# KiCad board MiniCamel.kicad_pcb (continued)
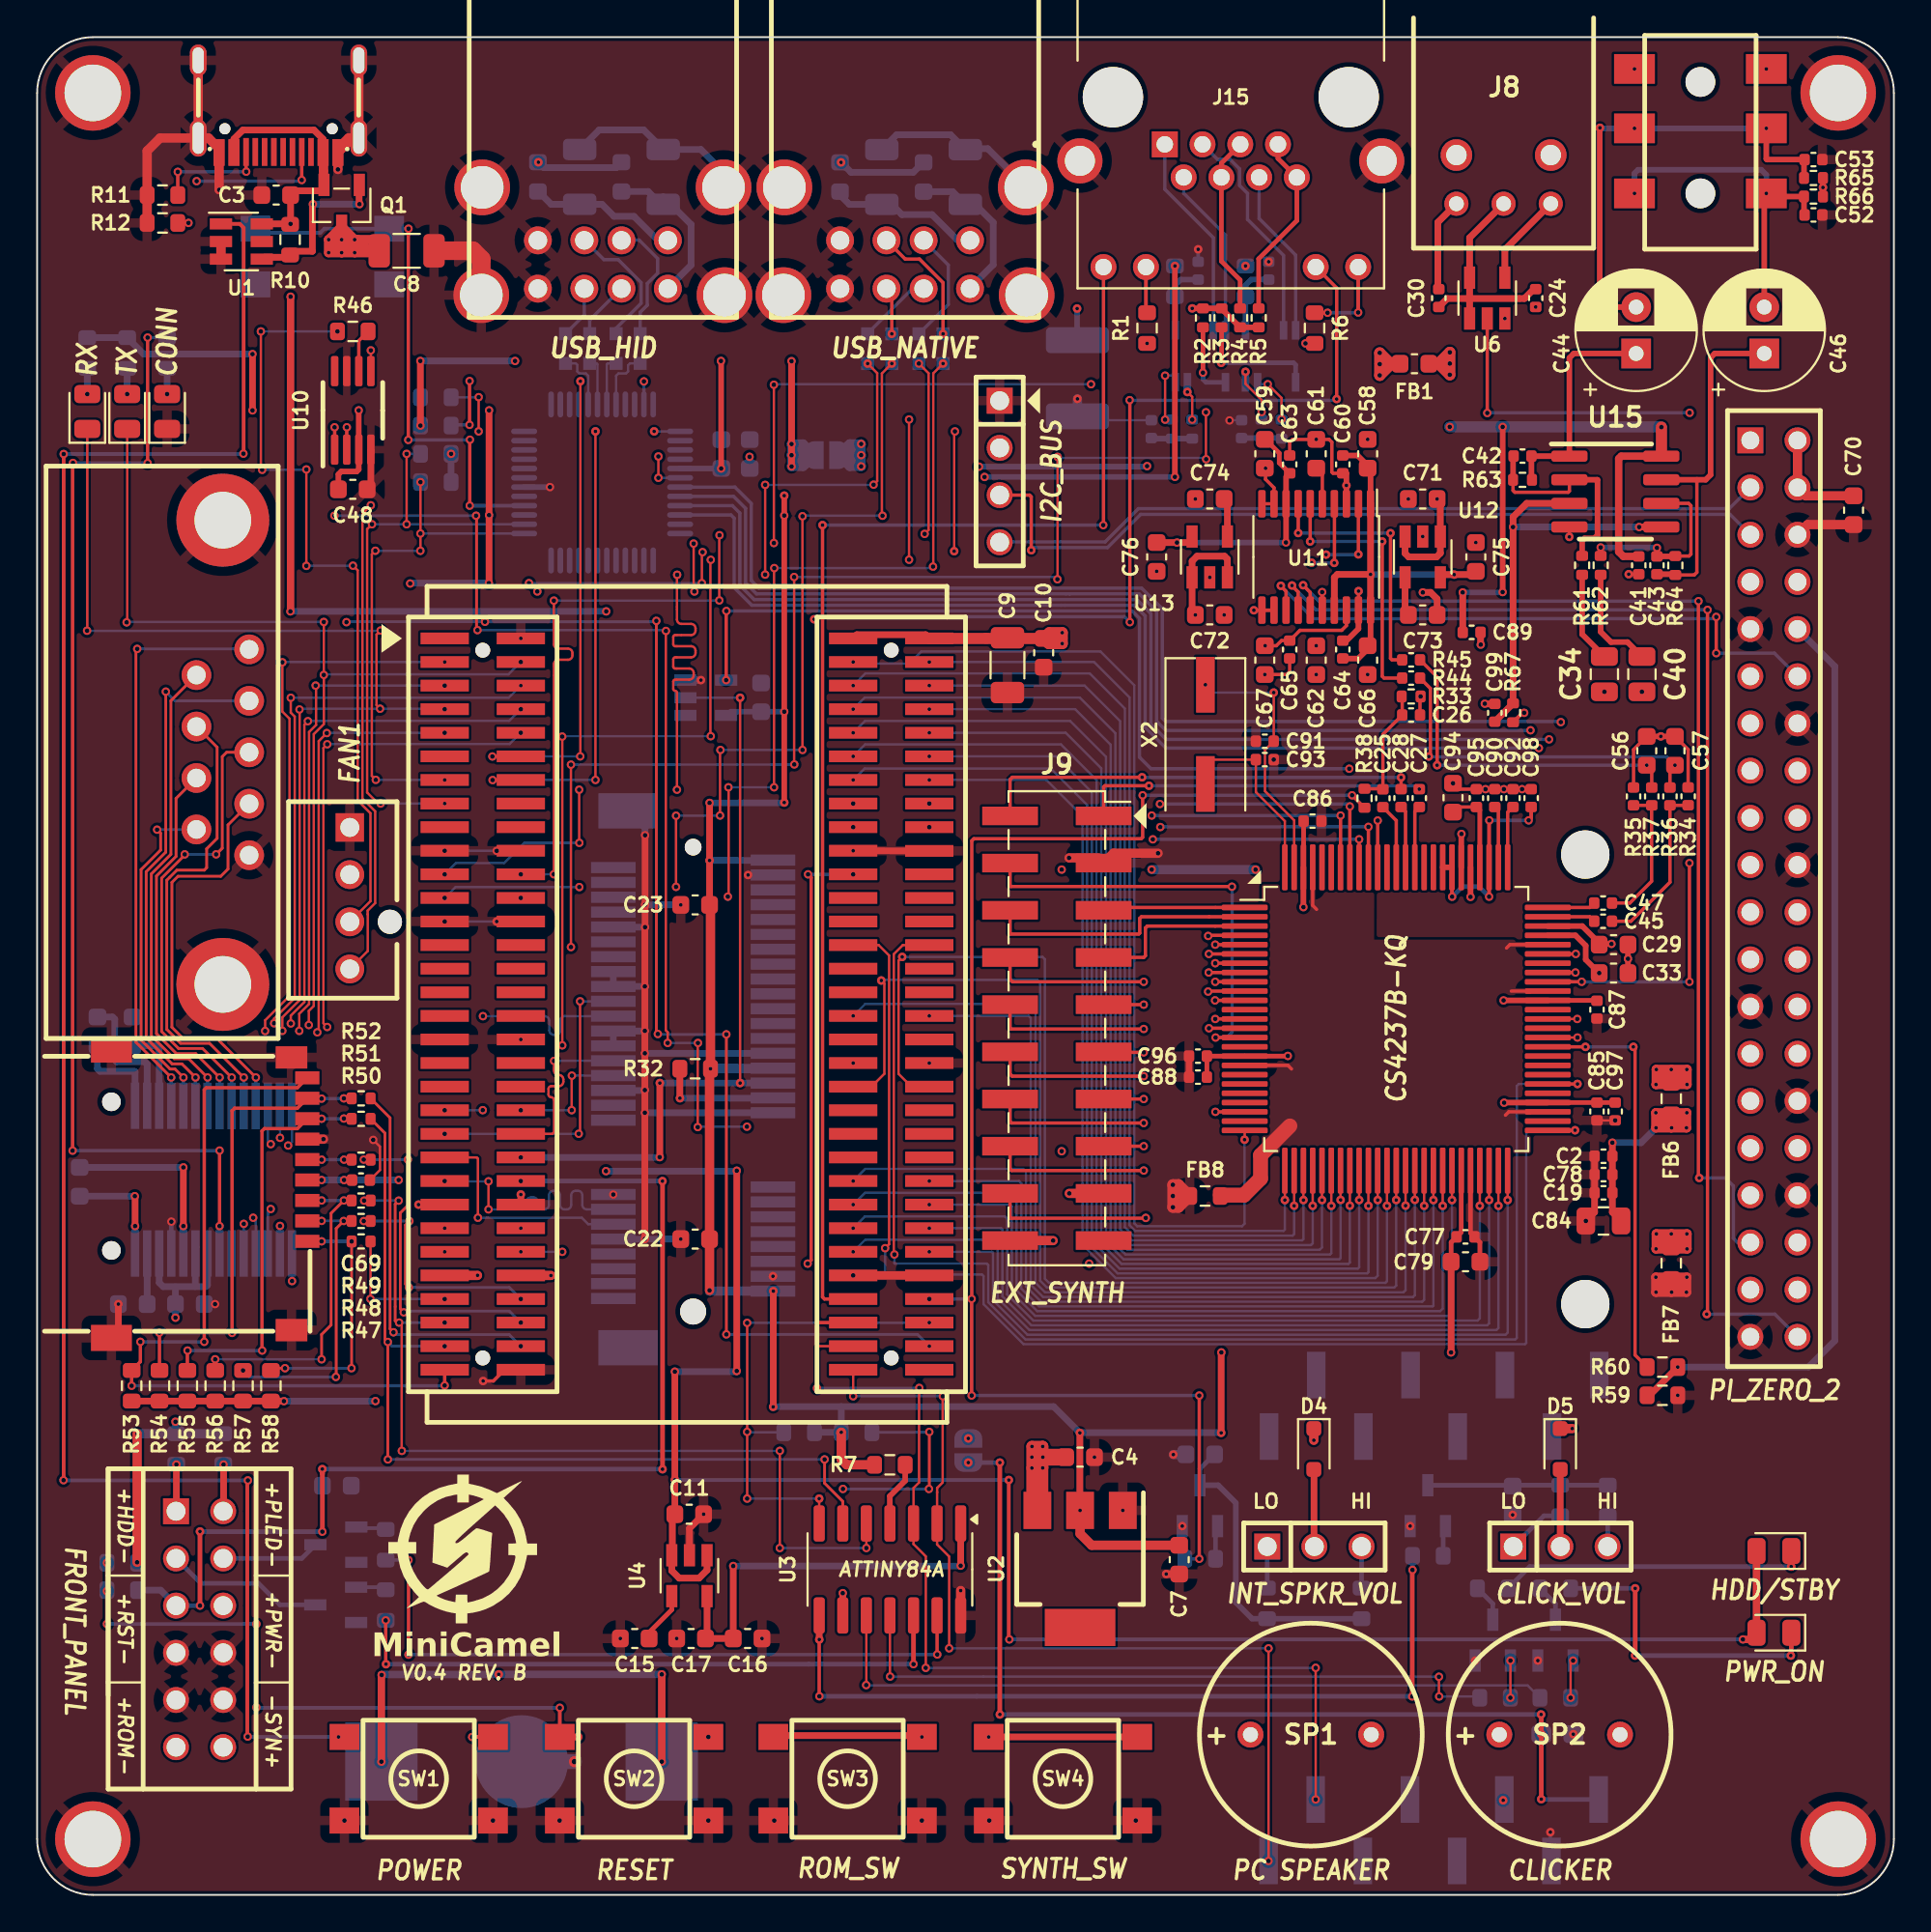
[diagram p0: board, top side]
## Routing (per net, layer and track width the routed paths; a pad name or vN(x,y) marks a point on that pad's centre or on a via; arc(x,y) is an arc through that point) (continued)
  Bottom w0.15: v1(9.83,44) 9.83,42.48
  Bottom w0.36: 9.83,42.48 U5.8
/RS_DCD1: length 31.5
  Top w0.15: v1(7.22,44) 5.32,45.9 5.32,67 v1(5.39,67.07)
  Bottom w0.15: v1(5.39,67.07) 11.4,67.07 J5.1 ; U5.4 7.22,42.48 7.22,44.07 7.23,44.08
/RS_DSR1: length 25.9
  Top w0.15: J5.6 7.2,64.28 7.2,56.01 6.15,54.96 6.15,46.24 7.39,45.01 8.16,45.01 9.17,44 v1(9.18,44)
  Bottom w0.15: U5.7 9.17,44
  Bottom w0.36: 9.17,44 v1(9.18,44)
/RS_DTR1: length 22.3
  Top w0.15: J5.4 10.28,57.59 10.28,55.22 9.89,54.83 7.59,54.83 7.26,54.5 7.26,46.7 7.85,46.12 9.66,46.12 v1(11.78,44)
  Bottom w0.15: v1(11.78,44) 11.78,42.48
  Bottom w0.36: 11.78,42.48 U5.11
/RS_RI1: length 18.6
  Top w0.15: v1(6.46,57.34) 6.65,57.15 6.65,56.24 5.6,55.19 5.6,46.01 7.16,44.45 7.43,44.45 v1(7.88,44)
  Bottom w0.15: U5.5 7.88,44 v1(7.88,44) ; J5.9 8.57,57.34 v1(6.46,57.34)
/RS_RTS1: length 25.5
  Top w0.15: J5.7 9.69,61.78 9.69,56.87 9.13,56.31 9.13,55.29 9,55.16 7.53,55.16 6.98,54.62 6.98,46.59 7.73,45.84 9.28,45.84 11.12,44 v1(11.13,44)
  Bottom w0.15: v1(11.13,44) 11.13,42.48
  Bottom w0.36: 11.13,42.48 U5.10
/RS_RX1: length 28.8
  Top w0.15: v1(6.93,64.77) 6.93,64.77 6.93,56.13 5.87,55.07 5.87,46.13 7.27,44.73 7.8,44.73 v1(8.53,44)
  Bottom w0.15: J5.2 7.43,64.28 v1(6.93,64.77) ; U5.6 8.52,44 v1(8.53,44)
/RS_TX1: length 25
  Top w0.15: J5.3 10.2,61.51 9.97,61.27 9.97,56.34 v1(9.64,56.01) ; v1(10.48,44) 10.47,44 8.91,45.56 7.62,45.56 6.7,46.47 6.7,54.73 7.95,55.98 v1(7.95,56.01)
  Bottom w0.15: 11.41,61.5 J5.3 ; v1(7.95,56.01) v1(9.64,56.01)
  Bottom w0.18: U5.9 10.48,44
/RST_SW: length 41.8
  Top w0.2: 11.81,10.07 v1(11.81,10.09) v2(11.81,14.58) ; v1(3.76,14.58) v1(3.76,17.87) ; v1(28.15,10.07) SW2.2
  Top w0.36: SW2.2 v1(29.15,8.5)
  In1.Cu w0.2: v1(29.15,8.5) v1(36.15,8.5)
  Bottom w0.2: v2(11.81,14.58) v1(3.76,14.58) ; v1(3.76,16.35) R9.2 ; v1(28.15,10.07) 11.81,10.07
/RSTDRV: length 51.8
  Top w0.18: v1(37.12,69.11) 37.11,69.1 v1(37.11,65.39) ; U14.90 v1(72.2,57.83)
  In1.Cu w0.18: v1(72.2,57.83) 72.2,60.29 71.87,60.62 v1(70.67,60.62)
  Bottom w0.18: v1(37.12,69.11) 37.12,69.11 58.98,69.11 59.37,68.72 59.37,61.24 59.99,60.62 v1(70.67,60.62)
/RTS1: length 33.8
  Top w0.127: v1(14.12,46.51) 14.12,47.43 14.65,47.96 14.65,62.6 15.02,62.97 15.02,65.07 v1(15,65.09)
  In2.Cu w0.127: v1(14.12,46.51) 14.12,45.91 13.3,45.09 13.3,40.97 v1(13.08,40.75)
  Bottom w0.127: v1(15,65.09) v1(21.95,65.09) ; U5.13 13.08,42.47 v1(13.08,40.75)
/RX1: length 69.4
  Top w0.127: v1(18.5,68.06) 18.28,67.84 18.28,64.04 v1(18.47,63.85) ; v1(2.69,68.05) 2.7,68.06 D3.1 ; v1(13.21,46.51) 13.21,47.24 14.14,48.17 14.14,63.8 v1(14.13,63.81)
  In2.Cu w0.127: v1(12.58,36.92) 11.99,37.51 11.99,40.68 12.79,41.48 12.79,45.3 13.21,45.72 v1(13.21,46.51)
  Bottom w0.127: v1(2.69,68.05) 2.7,68.04 18.48,68.04 v1(18.5,68.06) ; v1(14.13,63.81) 14.17,63.85 v1(18.47,63.85) 21.92,63.85 v1(21.95,63.83)
  Bottom w0.15: U5.17 12.42,36.77 v1(12.58,36.92)
/RX2: length 48.9
  Top w0.127: v1(43.95,26.84) P1.B63 ; v1(48.78,26.84) 48.77,26.83 48.77,22.2 48.47,21.9 48.47,21.67 48.47,21.66 U3.2 48.47,18.86 49.12,18.21 v1(49.12,13.27) ; v1(66.32,1.83) v1(66.32,13.27)
  Bottom w0.127: v1(48.78,26.84) v1(43.95,26.84) ; v1(66.32,13.27) v1(49.12,13.27)
/SD_CD: length 43.1
  Top w0.18: J13.9 14.02,43.45 9.11,43.45 9,43.34 v1(9,29.77) ; v1(5.09,27.41) R53.2 5.56,28.7 v1(5.56,29.77) ; v1(21.95,27.42) P1.A63
  Bottom w0.18: v1(21.95,27.42) 21.94,27.41 v1(5.09,27.41) ; v1(9,29.77) v1(5.56,29.77)
/SD_CLK: length 17.8
  Top w0.15: v1(19.75,31.35) 19.56,31.54 19.56,36.71 19.95,37.1 19.95,39.56 v1(19.97,39.58) ; R50.2 17.95,39.58 v1(17.59,39.58)
  Bottom w0.15: v1(19.75,31.35) 19.81,31.42 25.44,31.42 v1(26.05,30.81) ; v1(19.97,39.58) v1(17.59,39.58)
/SD_CMD: length 50
  Top w0.127: v1(19.64,23.9) 19.63,23.91 19.63,30.67 v1(19.49,30.81) ; U3.5 v1(44.66,18.67) ; v1(40,18.67) v1(40,23.9)
  Top w0.15: v1(19.47,37.37) 19.28,37.18 19.28,30.91 19.38,30.81 v1(19.49,30.81) ; v1(17.61,37.37) 17.95,37.37 R49.2
  Bottom w0.127: v1(19.64,23.9) v1(40,23.9) ; v1(44.66,18.67) v1(40,18.67)
  Bottom w0.15: v1(19.47,37.37) v1(17.61,37.37) ; v1(19.49,30.81) v1(21.95,30.81)
/SD_DAT0: length 49.3
  Top w0.15: R51.2 18.73,41 18.73,29.92 v1(18.89,29.76) 18.89,23.44 v1(18.89,23.44) ; U3.6 43.39,21.18 42.41,22.16 v1(42.41,23.44)
  Bottom w0.15: v1(18.89,29.76) 19.11,29.53 v1(21.95,29.53) ; v1(18.89,23.44) v1(42.41,23.44)
/SD_DAT1: length 20.3
  Top w0.15: R52.2 19.01,41.83 19.01,30.47 v1(19.19,30.28)
  Bottom w0.15: v1(26.05,29.53) 25.42,30.16 19.31,30.16 v1(19.19,30.28)
/SD_DAT2: length 7.1
  Top w0.127: v1(17.95,32.08) 17.96,32.09 R47.2
  Bottom w0.127: v1(21.95,32.08) 17.95,32.08 v1(17.95,32.08)
/SD_DAT3: length 12.9
  Top w0.15: v1(20.05,36.27) 19.84,36.06 19.84,32.88 v1(20.02,32.7) ; v1(17.59,36.27) 17.95,36.27 R48.2
  Bottom w0.15: v1(20.05,36.27) v1(17.59,36.27) ; v1(20.02,32.7) 25.42,32.7 v1(26.05,32.08)
/SPDIF_OUT: length 54.3
  Top w0.18: U14.67 83.19,49.15 v1(83.19,49.15) ; v1(78.1,79.77) U6.2 ; v1(88.99,49.15) v1(88.99,55.54)
  In2.Cu w0.18: v1(88.99,55.54) 88.99,79.77 v1(89,79.78)
  Bottom w0.18: v1(83.19,49.15) v1(88.99,49.15) ; v1(78.1,79.77) 78.11,79.78 v1(89,79.78)
/SPKR: length 77.7
  Top w0.18: v1(50.33,26.88) v1(50.33,32.08) 50.34,32.09 50.34,56.74 50.45,56.85 59.46,56.85 59.54,56.93 v1(59.54,59.19) ; v1(62.59,26.88) v1(62.59,18.09) ; R38.1 v1(70.82,59.19)
  Bottom w0.18: v1(62.59,26.88) v1(50.33,26.88) ; v1(70.82,59.19) v1(59.54,59.19) ; v1(50.33,32.08) 50.33,32.08 v1(48.05,32.08) ; v1(62.59,18.09) R20.1
/SYNTH_SW: length 106.4
  Top w0.36: SW4.2 v2(51.25,8.5)
  In2.Cu w0.18: J12.11 90.37,63.7 90.37,9.26 87.42,6.31 53.44,6.31 v2(51.25,8.5)
/TACH1: length 41.7
  Top w0.127: v1(14.5,71.54) v1(14.5,76.73) ; v1(12.12,76.71) 12.05,76.78 v1(12.05,84.16) ; P2.3 17.95,53.49 17.95,58.22 17.26,58.91 17.26,71.3 v1(17.01,71.55)
  Bottom w0.127: v1(14.5,71.54) 14.51,71.55 v1(17.01,71.55) ; v1(14.5,76.73) 14.48,76.71 v1(12.12,76.71) ; v1(12.05,84.16) v1(16.17,84.16)
/TX1: length 63.2
  Top w0.127: v1(4.82,68.5) 4.85,68.53 D2.1 ; v1(14.63,46.82) 14.63,47.58 14.9,47.85 14.9,62.48 15.44,63.02 15.44,63.16 15.44,63.16 15.44,65.67 v1(15.44,65.67) v1(15.44,68.52)
  In2.Cu w0.127: v1(14.63,46.82) 14.63,46.06 13.55,44.98 13.55,40.37 v1(13.52,40.34)
  Bottom w0.127: v1(15.44,68.52) 4.84,68.52 v1(4.82,68.5) ; v1(26.05,66.37) 25.38,65.7 15.47,65.7 v1(15.44,65.67) ; v1(13.52,40.34) 13.73,40.54 U5.14
/TX2: length 53.3
  Top w0.127: v1(68.86,12.22) v1(68.86,5.14) ; v1(47.51,27.29) 47.5,27.28 47.5,22.2 47.2,21.9 U3.3 47.2,18.88 47.86,18.22 v1(47.86,12.22) ; v1(42,27.27) 42,29.47 42.06,29.53 P1.B61
  Bottom w0.127: v1(42,27.27) 42.02,27.29 v1(47.51,27.29) ; v1(68.86,12.22) v1(47.86,12.22)
/USBD1+: length 52.2
  Top w0.127: v2(46.03,82.43) 45.5,81.9 45.5,74.27 v1(45.53,74.24) ; v1(36.8,61.63) 36.78,61.61 v1(36.78,58.1) ; v1(34.41,54.26) v1(34.41,58.09) ; v1(41.22,74.21) v1(41.22,61.63)
  In1.Cu w0.127: v1(34.41,54.26) 34.4,54.25 v1(29.2,54.25)
  Bottom w0.127: v1(34.41,58.09) 36.77,58.09 v1(36.78,58.1) ; v1(21.95,53.67) 22.53,54.25 v1(29.2,54.25) ; v1(41.22,74.21) 41.25,74.24 v1(45.53,74.24) ; v1(36.8,61.63) v1(41.22,61.63)
/USBD1-: length 55.9
  Top w0.127: v1(45.05,75.91) 45.24,76.1 45.24,81.92 v2(44.73,82.43) ; v1(39.21,75.9) 39.21,71.07 v1(39.21,71.07) ; v1(34.46,59.49) 34.46,64.72 arc(34.43,64.79) 34.36,64.82 arc(34.29,64.84) 34.26,64.92 34.26,65.32 arc(34.29,65.39) 34.36,65.42 35.12,65.42 arc(35.29,65.49) 35.36,65.66 35.36,65.78 arc(35.29,65.94) 35.12,66.02 34.36,66.02 arc(34.29,66.04) 34.26,66.12 34.26,66.52 arc(34.29,66.59) 34.36,66.62 35.22,66.62 arc(35.39,66.69) 35.46,66.86 35.46,66.98 arc(35.39,67.14) 35.22,67.22 34.36,67.22 arc(34.29,67.24) 34.26,67.32 34.26,67.72 arc(34.29,67.79) 34.36,67.82 35.22,67.82 arc(35.39,67.89) 35.46,68.06 35.46,68.18 arc(35.39,68.34) 35.22,68.42 34.7,68.42 arc(34.53,68.49) 34.46,68.66 34.46,71.05 v1(34.47,71.06) ; v1(29.19,59.49) 29.19,56.64 v1(29.2,56.63)
  In1.Cu w0.127: v1(34.47,71.06) 39.2,71.06 v1(39.21,71.07) ; v1(29.19,59.49) v1(34.46,59.49)
  Bottom w0.127: v1(21.95,54.94) 22.55,55.54 25.15,55.54 26.24,56.63 v1(29.2,56.63) ; v1(39.21,75.9) 45.04,75.9 v1(45.05,75.91)
/USBD2+: length 51.1
  Top w0.127: v1(37.23,59.62) 37.24,59.61 37.24,53.78 v1(37.2,53.73) ; v1(39.7,71.42) 39.69,71.41 v1(39.69,59.62) ; v2(48.79,82.43) 48.26,81.9 48.26,71.51 v1(48.25,71.5)
  In1.Cu w0.127: v1(37.2,53.73) 26.12,53.73 v1(26.05,53.67)
  Bottom w0.127: v1(39.7,71.42) 48.17,71.42 v1(48.25,71.5) ; v1(37.23,59.62) v1(39.69,59.62)
/USBD2-: length 51.1
  Top w0.127: v1(27.83,54.94) 27.83,66.24 arc(27.9,66.41) 28.07,66.48 28.59,66.48 arc(28.76,66.56) 28.83,66.72 28.83,66.84 arc(28.76,67.01) 28.59,67.08 28.07,67.08 arc(27.9,67.16) 27.83,67.32 v1(27.83,69.67) ; v1(36.75,73.19) 36.74,73.18 v1(36.74,69.68) ; v1(47.8,73.26) 48.01,73.47 48.01,81.91 v1(47.49,82.43)
  In1.Cu w0.127: v1(47.8,73.26) 47.8,73.25 36.81,73.25 v1(36.75,73.19)
  Bottom w0.127: v1(26.05,54.94) 27.83,54.94 v1(27.83,54.94) ; v1(27.83,69.67) 36.73,69.67 v1(36.74,69.68)
/USBDX1+: length 2.6
  Top w0.18: v2(46.03,84.03) 46.03,86.18 J6.3
/USBDX1-: length 4
  Bottom w0.18: J6.2 47.14,86.46 44.73,84.05 L1.1
/USBDX2+: length 6.7
  Top w0.18: v2(48.79,84.03) 48.79,86.78 47.52,88.05 46.75,88.05 J6.7
/USBDX2-: length 6.2
  Bottom w0.18: L2.1 49.07,85.61 49.07,87.73 J6.6
/USBHID1+: length 3.2
  Bottom w0.127: U9.29 29.68,81.77 29.55,81.9 29.2,81.9 29.09,82.01 29.09,82.36 29.01,82.44 L3.4
/USBHID1-: length 2.6
  Bottom w0.127: U9.30 30.18,82.39 30.13,82.44 L3.1
/USBHID2+: length 2.7
  Bottom w0.127: U9.31 30.68,82.39 30.73,82.44 L4.4
/USBHID2-: length 3.3
  Bottom w0.127: U9.32 31.18,81.77 31.31,81.9 31.72,81.9 31.83,82.01 31.83,82.34 31.93,82.44 L4.1
/USBHIDX1+: length 2.9
  Bottom w0.18: L3.3 29.47,85.05 29.47,86.48
/USBHIDX1-: length 3.1
  Bottom w0.18: 31.47,86.48 29.76,84.77 L3.2
/USBHIDX2+: length 7.3
  Bottom w0.18: L4.3 31.18,84.33 32.53,85.67 32.53,86.79 31.29,88.02 30.53,88.02 29.47,89.08
/USBHIDX2-: length 6.8
  Bottom w0.18: L4.2 32.48,85.19 32.86,85.57 32.86,86.74 33.42,87.3 33.42,88.08 32.42,89.08 31.47,89.08
/X_SD_CLK: length 2.5
  Top w0.18: v1(16.53,39.58) R50.1
  Top w0.36: J13.5 15.31,39.58 v1(15.32,39.58)
  Bottom w0.18: v1(16.53,39.58) 15.26,39.58
/X_SD_CMD: length 17.8
  Top w0.127: R56.2 v1(9.59,28.83)
  Top w0.15: v1(16.52,37.38) 15.83,36.69 15.83,30.68 15.32,30.17 v1(15.32,28.83)
  Top w0.18: v1(16.52,37.38) 16.93,37.38
  Top w0.36: J13.3 v1(15.32,37.38)
  Bottom w0.127: v1(9.59,28.83) v1(15.32,28.83)
  Bottom w0.18: v1(16.52,37.38) 15.29,37.38
/X_SD_DAT0: length 22.2
  Top w0.127: 8.09,29.29 v1(8.1,29.3)
  Top w0.18: 8.2,28.34 R55.2 8.09,29.29 ; R51.1 16.53,41.78 ; J13.7 14.02,41.25 12.24,41.25 12.11,41.12 12.11,29.31 v1(12.12,29.3)
  Top w0.36: 16.53,41.78 v1(16.52,41.79) ; J13.7 v1(15.32,41.78)
  Bottom w0.18: v1(12.12,29.3) v1(8.1,29.3) ; v1(15.32,41.78) 16.51,41.78 v1(16.52,41.79)
/X_SD_DAT1: length 25.3
  Top w0.18: J13.8 15.3,42.88 v1(15.32,42.86) 14.53,42.86 14.02,42.35 10.64,42.35 10.5,42.21 v1(10.5,30.25) ; R54.2 6.59,30.25 v1(6.58,30.26) ; 16.85,42.88 v1(16.52,42.88)
  Bottom w0.18: v1(10.5,30.25) 6.59,30.25 v1(6.58,30.26) ; v1(15.32,42.86) 16.51,42.86 v1(16.52,42.88)
/X_SD_DAT2: length 13.6
  Top w0.15: v1(16.94,35.17) 16.94,28.36 v1(16.93,28.35) ; R58.2 12.71,28.35 v1(13.35,28.35)
  Top w0.18: v1(16.94,35.17) 16.93,35.18
  Top w0.36: J13.1 v1(15.32,35.18)
  Bottom w0.15: v1(16.93,28.35) v1(13.35,28.35)
  Bottom w0.18: 15.31,35.18 16.93,35.18 v1(16.94,35.17)
/X_SD_DAT3: length 16
  Top w0.15: 16.84,36.28 v1(16.51,36.28) 16.11,35.87 16.11,27.9 v1(16.09,27.88)
  Top w0.36: J13.2 v1(15.32,36.28)
  Bottom w0.15: v1(16.51,36.28) 16.51,36.28 15.31,36.28 ; v1(11.09,28.23) 11.44,27.88 v1(16.09,27.88)
/~{BRESET}: length 23.6
  Top w0.18: U14.15 v1(63.47,46.15) ; J9.4 52.4,54.33 52.45,54.28 64.34,54.28 v1(64.35,54.27)
  Bottom w0.18: v1(64.35,54.27) 64.36,54.26 64.36,46.43 64.08,46.15 v1(63.47,46.15)
/~{DACK1}: length 73.7
  Top w0.127: v1(46.17,34.47) 46.14,34.5 46.14,50.64 46.62,51.12 P1.B28
  Top w0.18: U14.56 v2(82.96,43.65)
  Bottom w0.127: v1(46.17,34.47) 46.17,34.01 46.2,33.98 51.15,33.98 51.23,33.9 51.23,31.9 53.23,29.9 79.61,29.9 79.69,29.98 79.69,43.54 79.8,43.65 v2(82.96,43.65)
/~{DUPLEX}: length 71.4
  Top w0.18: v1(57.42,73.73) 57.43,73.75 J15.9 ; 43.1,32.08 42.41,32.08 42.3,32.18 v2(42.3,73.73)
  Bottom w0.18: v2(42.3,73.73) v1(57.42,73.73)
/~{FM_CS}: length 13.8
  Top w0.18: U14.9 v1(63.45,49.15) ; 59.61,42.84 J9.13
  In2.Cu w0.18: v1(63.45,49.15) 61.65,49.15 61.53,49.03 61.53,42.92 61.45,42.84 59.61,42.84
  vias: v1(59.6,42.84)
/~{FM_RD}: length 20.9
  Top w0.18: v1(63.07,48.62) 63.09,48.65 U14.10 ; v1(59.6,41.55) 52.47,41.55 52.4,41.62 J9.14
  In2.Cu w0.18: v1(59.6,41.55) 61.77,41.55 61.84,41.62 61.84,48.54 61.92,48.62 v1(63.07,48.62)
/~{FM_WR}: length 15.3
  Top w0.18: v1(59.6,40.3) J9.15 ; v1(63.44,48.15) U14.11
  In2.Cu w0.18: v1(59.6,40.3) 62.01,40.3 62.15,40.44 62.15,48.06 62.24,48.15 v1(63.44,48.15)
/~{IOR}: length 57.8
  Top w0.127: v2(46.59,50.49) 46.39,50.29 46.39,44.2 47.08,43.5 P1.B40 ; 72.7,39 v2(72.7,37.09)
  Bottom w0.127: v2(72.7,37.09) 72.7,33.03 72.62,32.95 54.49,32.95 54.27,33.17 54.27,50.37 54.15,50.49 v2(46.59,50.49)
/~{IOW}: length 57.3
  Top w0.127: 73.2,39 73.2,37.41 v2(73.2,37.4) ; P1.B39 44.94,43.5 45.63,44.2 45.63,49.05 v2(45.47,49.22)
  Bottom w0.127: v2(45.47,49.22) 45.5,49.25 53.87,49.25 54.02,49.1 54.02,33.06 54.39,32.69 73.09,32.69 73.2,32.8 v2(73.2,37.4)
/~{LINKACT}: length 86.7
  Top w0.18: v1(58.84,80.46) 58.85,80.45 v1(58.85,68.51) ; v2(69.99,80.52) 69.99,86.5 J15.11 ; v2(41.85,68.66) 41.99,68.52 41.99,30.87 42.06,30.81 42.97,30.81
  Bottom w0.18: v1(58.84,80.46) 58.85,80.45 69.92,80.45 v2(69.99,80.52) ; v2(41.85,68.66) 41.99,68.8 58.56,68.8 v1(58.85,68.51)
/~{PCIRST}: length 41.3
  Top w0.127: v2(37.86,64.44) v2(37.86,43.7)
  Top w0.36: v2(33.54,43.7) 33.54,39.72 v1(33.53,39.71) 33.52,39.69
  Bottom w0.127: v2(37.86,64.44) U8.2
  Bottom w0.36: 33.52,39.69 v1(26.05,39.69) ; v2(33.54,43.7) v2(37.86,43.7) J4.22
/~{RST_SW}: length 60.3
  Top w0.25: 15.37,22.66 15.36,22.67 v2(15.36,22.92) 15.37,22.92 15.37,19.55 ; v2(33.68,22.91) 33.68,38.42 ; v2(8.77,19.56) v1(8.77,15.57) ; v2(33.68,38.42) 33.67,38.42
  Bottom w0.25: v1(8.77,15.57) J3.3 ; 33.67,38.42 v1(26.05,38.42) ; 33.68,38.42 v2(33.68,38.42) ; v2(8.77,19.56) 8.78,19.55 v1(15.36,19.55) 15.37,19.55 ; C5.1 15.37,22.92 v2(15.36,22.92) 33.67,22.92 v2(33.68,22.91)
  Bottom w0.36: J3.3 6.65,16.4 R9.1
Net-(C1-Pad2): length 11.9
  Top w0.3: R5.1 R4.1 63.79,85.38 R3.1 v2(62.21,85.4)
  In1.Cu w0.3: v2(62.21,85.4) 56.02,85.4 v2(56.01,85.39)
  Bottom w0.3: C1.2 56.01,83.71 v2(56.01,85.39)
Net-(C25-Pad2): length 6.4
  Top w0.18: R38.2 72.45,59.54 C25.2 72.48,62.47 C26.1 73.52,64.48 R33.1
Net-(C34-Pad2): length 4.9
  Top w0.3: R61.2 83.21,67.86 C34.2
Net-(C40-Pad2): length 5.8
  Top w0.3: R62.2 84.21,67.99 84.76,67.44 85.65,67.44 C40.2
Net-(C42-Pad2): length 12.4
  Top w0.18: 80.51,76.28 R63.1
  Top w0.3: R63.1 80.48,76.2 C42.2 80.48,77.44 U15.1 82.53,82.73 82.76,82.97 C44.1
Net-(C43-Pad2): length 19.3
  Top w0.18: 89.39,76.17 89.39,71.19 89.25,71.05 R64.1 88.19,71.09
  Top w0.3: C46.1 90.35,82.97 90.13,82.75 90.13,76.44 89.86,76.17 U15.7 ; C43.2 88.19,71.09
Net-(C44-Pad2): length 25.2
  Top w0.18: 95.16,93.38 C53.1
  Top w0.3: v2(93.13,95.09) 93.13,93.45 93.17,93.41 C53.1 ; C44.2 84.3,85.47 84.16,85.61 84.16,95.11 v2(84.17,95.12) ; R65.1 95.16,93.38
  Bottom w0.3: v2(84.17,95.12) 84.2,95.09 v2(86.03,95.09) v2(93.13,95.09)
Net-(C45-Pad2): length 9.1
  Top w0.18: C45.2 85.84,52.41 87.94,54.51 R36.2 88.92,58.65 R34.2
Net-(C46-Pad2): length 18.7
  Top w0.3: R66.1 95.16,90.46 C52.1 ; R66.1 93.3,91.42 v2(93.13,91.59) 93.13,91.28 93.02,91.17 C46.2 ; R66.1 95.15,91.41
  Bottom w0.3: v2(93.13,91.59) 93.13,92.59 92.86,92.86 86.22,92.86 86.03,92.67 v2(86.03,91.59)
Net-(C47-Pad2): length 7.7
  Top w0.18: C47.2 85.78,53.39 86.95,54.56 86.95,58.64 ; R37.2 R35.2
Net-(C80-Pad1): length 2.2
  Bottom w0.3: R71.2 60.04,78.39
Net-(C81-Pad1): length 2.1
  Bottom w0.3: C81.1 66.99,78.42
Net-(D1-A): length 1.4
  Bottom w0.36: R15.2 v1(7,80.79)
Net-(D2-A): length 1.4
  Bottom w0.36: R24.2 v1(4.85,80.79)
Net-(D3-A): length 1.4
  Bottom w0.36: R25.2 v1(2.7,80.79)
Net-(D4-A): length 15.5
  Top w0.36: 68.77,22.89 68.77,18.77
  In2.Cu w0.36: SP1.2 70.61,9.87 70.61,13.74 68.79,15.56 JP1.2
Net-(D5-A): length 15.6
  Top w0.36: D5.2 82.03,18.76
  In2.Cu w0.36: JP2.2 82.04,15.41 85.25,12.2 SP2.2
Net-(D6-K): length 16.7
  Top w0.25: v2(94.45,12.88) 94.48,12.91 D6.1 ; v2(86.07,16.5) 86.07,12.89 v2(86.06,12.88)
  Bottom w0.25: R29.2 v2(86.07,16.5) ; v2(94.45,12.88) v2(86.06,12.88)
Net-(D7-K): length 16.6
  Top w0.25: D7.1 94.47,18.5 v2(94.47,17.67)
  Bottom w0.25: R28.2 80.39,17.67 v2(94.47,17.67)
Net-(J1-CC1): length 10.8
  Top w0.18: 7.4,90 v1(8.15,90) ; v1(14.25,92.31) 14.25,94
  In2.Cu w0.18: v1(8.59,92.25) 8.59,90 v1(8.15,90)
  Bottom w0.18: v1(14.25,92.31) 14.19,92.25 v1(8.59,92.25)
Net-(J1-CC2): length 6.2
  Top w0.18: 11.25,94 11.25,92.77 v1(11.26,92.76) 11.25,92.75 ; R11.1 v1(7.57,92.75)
  Bottom w0.18: 11.25,92.75 v1(7.57,92.75)
Net-(J4-~{W_DISABLE}): length 6.6
  Top w0.36: v2(34.62,42.88) 34.62,42.89 34.62,44.47
  Bottom w0.36: v2(34.62,42.88) 39.61,42.88
Net-(J6-VBUS1): length 8
  Bottom w0.36: 50.24,86.5 51.49,87.75 51.49,90.03 50.52,91 ; 47.72,91.69 49.31,91.69 C31.1
Net-(J6-VBUS2): length 7.9
  Bottom w0.36: 50.24,89.1 49.55,89.1 48.2,90.45 46.57,90.45 46.02,91 43.75,91 43.3,91.45
Net-(J7-VBUS1): length 8
  Bottom w0.36: 33.22,91.38 32.91,91.69 31.4,91.69 ; 33.97,86.48 35.22,87.73 35.22,89.92 33.72,91.42
Net-(J7-VBUS2): length 7.5
  Bottom w0.36: 26.99,91.69 27.68,91 30.42,91 31.07,90.35 32.15,90.35 33.42,89.08
Net-(J8-VIN): length 5
  Top w0.36: J8.1 79.05,88.56 U6.4
Net-(J11-5V): length 52.1
  Top w0.25: v2(81,9.71) 81.01,9.7 v2(81.01,8.65) 81.01,5.15 v2(81.01,5.15) ; v2(51.85,9.71) 51.85,9.71 51.85,23.27 v2(51.85,23.27)
  Bottom w0.25: 84.1,5.14 81.03,5.14 v2(81.01,5.15) ; v2(51.85,9.71) v2(81,9.71) ; v2(51.85,23.27) v2(50.15,23.27)
Net-(J15-Pad4): length 9.7
  Top w0.25: J15.5 63.78,93.21 J15.4 63.78,87.94 64.79,86.93 R4.2
Net-(J15-Pad7): length 10.1
  Top w0.25: R5.2 65.79,88.07 67.85,90.13 J15.8 66.83,93.47 J15.7
Net-(J15-Pad10): length 2.5
  Top w0.127: 59.72,85.23 59.78,85.16
  Top w0.2: J15.10 59.72,85.23
Net-(J15-Pad12): length 4.8
  Top w0.2: 71.15,85.16 v1(71.15,85.18) J15.12 ; v1(69.5,85.16) 68.8,85.16
  Bottom w0.2: 71.15,85.16 v1(69.5,85.16)
Net-(JP1-Pin_1): length 2.2
  Bottom w0.25: 66.25,16.53 JP1.1
Net-(JP1-Pin_3): length 2.3
  Bottom w0.25: 71.33,16.41 JP1.3
Net-(JP2-Pin_1): length 3.2
  Bottom w0.25: JP2.1 81.16,20.41 R31.2
Net-(JP2-Pin_3): length 1.6
  Bottom w0.25: R27.2 84.59,18.76
Net-(Q1-G): length 8.3
  Top w0.36: v1(14.85,91.01) 14.83,91.01 14.83,88.47 13.62,88.47 ; 17.35,91.63 17.34,91.62 17.34,91.03 v1(17.36,91.01) ; 12.2,88.15 13.58,88.15
  Bottom w0.36: v1(14.85,91.01) v1(17.36,91.01)
Net-(Q2-B): length 1.3
  Bottom w0.2: 18.71,19.74 17.38,19.74
Net-(Q3-B): length 1.5
  Bottom w0.2: 18.64,16.56 Q3.1
Net-(Q4-B): length 1.6
  Bottom w0.25: R20.2 63.47,19.74
Net-(Q4-C): length 16.8
  Bottom w0.25: Q4.3 62.62,22.94 63.4,23.71
  Bottom w0.3: R26.1 R30.1 65.44,14.86 64.56,15.74 64.56,21.1 63.61,22.05 Q4.3
Net-(Q5-B): length 1.5
  Bottom w0.25: 75.72,18.25 75.72,19.72
Net-(Q5-C): length 9.6
  Bottom w0.25: Q5.3 79.42,22.05 ; R27.1 79.52,22.06
Net-(Q6-B): length 2
  Top w0.127: v1(79.35,12.61) 79.35,10.61 v1(79.34,10.61)
Net-(Q6-C): length 2
  Bottom w0.25: R28.1 78.4,15.67 Q6.3
Net-(Q7-B): length 2.1
  Top w0.127: v1(82.72,12.61) 82.59,12.47 v1(82.59,10.61)
Net-(Q7-C): length 2
  Bottom w0.25: Q7.3 81.78,15.67 R29.1
Net-(SW5-A): length 29.2
  Top w0.18: v1(20,89.69) 19.99,89.68 v1(19.99,78.32) ; v1(23.31,78.33) 23.3,78.32 23.3,74.84
  Bottom w0.127: v1(23.31,78.33) 23.3,78.32 ; v1(19.99,78.32) 20,78.31
  Bottom w0.18: v1(20,89.69) SW5.1 ; v1(19.99,78.32) 23.3,78.32
  Bottom w0.2: SW5.1 15.47,89.69 15.25,89.47 11.98,89.47 ; v1(23.3,74.78) U9.16
Net-(T2-C_TD): length 3.8
  Bottom w0.3: C82.1 61.59,86.95 61.3,86.66 T2.6
Net-(T2-C_TX): length 4.1
  Top w0.25: v1(62.79,81.94) R2.2
  Bottom w0.25: v1(62.79,81.94) 62.79,81.58 62.95,81.42 T2.3
Net-(T3-C_TD): length 3.8
  Bottom w0.3: T3.6 FB5.2 65.08,86.64 65.39,86.95 C83.1
Net-(T3-C_TX): length 6.9
  Top w0.25: R3.2 63.79,82.49 v2(63.77,82.47)
  Bottom w0.25: T3.3 67.78,82.36 67.67,82.47 v2(63.77,82.47)
Net-(U4-BYP): length 2.5
  Top w0.25: 32.96,14.13 34.18,15.35 U4.4
Net-(U5-C1+): length 5.7
  Top w0.36: 5.27,37.61 v1(5.27,36)
  Bottom w0.36: v1(5.27,36) 5.27,34.9 ; 5.27,37.61 v1(5.26,37.61) C12.1
Net-(U5-C1-): length 9.8
  Top w0.36: v1(7.88,39.16) 7.88,36.01
  Bottom w0.36: C12.2 v1(7.88,39.16) ; 7.88,36.01 7.88,34.9
  vias: v1(7.88,36)
Net-(U5-C2+): length 5.5
  Bottom w0.36: 5.27,42.1 5.27,44.3 5.24,44.33 3.39,44.33 3.25,44.47 3.25,45.73
Net-(U5-C2-): length 7.6
  Bottom w0.36: C18.2 4.07,47.25 4.18,47.14 4.18,44.95 4.28,44.85 5.8,44.85 5.93,44.72 5.93,42.1
Net-(U5-V+): length 3.1
  Bottom w0.36: C13.1 5.93,34.9
Net-(U5-V-): length 4.9
  Bottom w0.36: C6.1 6.36,45.7 6.57,45.5 6.57,42.1
Net-(U5-~{INVALID}): length 62.3
  Top w0.18: v1(1.93,77.08) 1.91,77.06 v1(1.91,40.06) ; v1(5.95,77.07) v1(5.95,83.83) ; v1(9.83,36) v1(9.83,40.06)
  Bottom w0.18: v1(9.83,40.06) 1.91,40.06 v1(1.91,40.06) ; v1(1.93,77.08) 5.94,77.08 v1(5.95,77.07) ; R15.1 7,83.83 v1(5.95,83.83) ; U5.21 v1(9.83,36)
Net-(U9-VDD33): length 7.9
  Top w0.127: v1(33.46,76.28) v1(33.46,77.43)
  In1.Cu w0.127: v1(33.46,77.43) 38.35,77.43 v1(38.37,77.41)
  Bottom w0.127: 38.37,76.8 38.38,76.78 ; U9.42 v1(33.46,76.28)
  Bottom w0.36: v1(38.37,77.41) 38.37,76.8
Net-(U10-TACH): length 2.3
  Top w0.18: R46.2 17.33,83.66 U10.6
Net-(U11-CAPM): length 9
  Top w0.18: 69.87,74.89 U11.4 69.87,74.88 69.87,71.71 ; v2(68.64,71.71) 68.65,71.7
  In2.Cu w0.18: v2(68.64,71.71) 68.63,71.7 68.63,67.5 v2(68.89,67.24)
  Bottom w0.18: 69.87,71.71 v2(69.86,71.7) 68.65,71.7
Net-(U11-CAPP): length 11.5
  Top w0.18: 71.15,72.15 v2(71.16,72.16) 71.16,74.88 U11.2 71.16,74.89
  In2.Cu w0.18: v2(69.42,72.15) 69.41,72.14 69.41,70.93 69.89,70.45 69.89,66.69 v2(68.89,65.69)
  Bottom w0.18: v2(69.42,72.15) 71.15,72.15
Net-(U11-LDOO): length 5.7
  Top w0.18: C67.2 v2(66.14,67.24) 66.74,67.24 67.02,67.52 C65.2 68.01,68.07 70.26,68.07 70.52,68.33 U11.18
Net-(U11-OUTL): length 14.3
  Top w0.18: v2(68.56,72.85) 68.56,72.86 U11.6 ; v2(72.44,72.85) 72.44,65.6 72.54,65.5 R44.1
  Bottom w0.18: v2(68.56,72.85) v2(72.44,72.85)
Net-(U11-OUTR): length 14
  Top w0.18: U11.7 67.92,74.88 v2(67.92,73.31) ; R45.1 72.97,66.48 72.89,66.56 v2(72.89,73.3)
  Bottom w0.18: v2(72.89,73.3) 67.93,73.3 v2(67.92,73.31)
Net-(U11-VNEG): length 1.9
  Top w0.18: 69.22,76.8 69.22,74.89 U11.5
Net-(U12-BYP): length 2.1
  Top w0.18: 73.67,69.07 C73.1
  Top w0.36: U12.4 73.67,69.07
Net-(U13-BYP): length 2.1
  Top w0.18: 64.11,74.97 C74.1
  Top w0.36: U13.4 64.11,74.97
Net-(U14-LAUX1): length 2.6
  Top w0.18: C47.1 83.62,53.15 U14.75
Net-(U14-LFILT): length 3.3
  Top w0.18: U14.77 78.7,58.37 C90.2
Net-(U14-LLINE): length 3.3
  Top w0.18: C28.1 73.7,58.32 U14.87
Net-(U14-LMIC): length 18.5
  Top w0.2: v1(78.21,57.84) 78.2,57.83 U14.78 v1(78.2,53.73) ; U14.82 76.2,53.74 ; v1(80.09,63.63) 80,63.63 R67.2 ; v1(80.33,57.84) 80.47,57.98 C98.2
  Top w0.3: U14.83 U14.82
  Top w0.36: 76.2,53.74 v1(76.21,53.73)
  In2.Cu w0.2: v1(80.33,57.84) 80.36,57.84 80.5,57.98 80.5,60.77 79.95,61.32 79.95,63.49 v1(80.09,63.63)
  Bottom w0.2: v1(80.33,57.84) v1(78.21,57.84)
  Bottom w0.25: v1(76.21,53.73) 76.76,54.28 77.65,54.28 v1(78.2,53.73)
Net-(U14-MIN): length 3.5
  Top w0.18: U14.88 73.2,57.83 C25.1
Net-(U14-RAUX1): length 2.6
  Top w0.18: U14.74 83.62,52.65 C45.1
Net-(U14-REFFLT): length 4.7
  Top w0.18: C94.1 76.53,58.56 C95.1
  Top w0.25: U14.79 77.7,58.38 C95.1
Net-(U14-RFILT): length 3.4
  Top w0.18: C92.2 79.2,58.27 U14.76
Net-(U14-RLINE): length 3.3
  Top w0.18: C27.1 74.2,58.32 U14.86
Net-(U14-XTALI): length 10.5
  Top w0.127: U14.100 67.2,57.8 65.64,59.36 C93.2 62.92,61.11 X2.2
Net-(U14-XTALO): length 14.1
  Top w0.127: v2(66.6,64.72) C91.2 66.13,61.63 66.13,59.41 67.7,57.84 U14.99
  Bottom w0.127: v2(66.6,64.72) 63.34,64.72 v2(62.92,65.14)
Net-(U15A--): length 12
  Top w0.18: 79.49,77.42 C42.1 79.52,77.27 ; R63.2 79.49,75.6 79.59,75.5 82.46,75.5 82.53,75.56 U15.2
  Top w0.3: U15.2 84.03,76.17 84.04,76.16 84.04,73.2 83.87,73.02 83.33,73.02 83.21,72.9 R61.1 ; R63.2 79.49,77.42
Net-(U15B--): length 10.1
  Top w0.18: 88.21,72.05 R64.2 88.97,72.07 89.07,72.17 89.07,74.78 88.94,74.91 U15.6
  Top w0.3: v1(84.21,72.53) 84.21,72.08 R62.1 ; 88.21,72.05 C43.1 v1(87.24,72.51)
  Bottom w0.3: v1(84.21,72.53) 87.22,72.53 v1(87.24,72.51)
unconnected-(J11-D4/GPIO2-Pad11):
  vias: v2(78.96,5.09)

## Copper pours and planes (outline as drawn; the poured copper is in the pictures)
+5VFILT on In2.Cu: 80.45,39.9 80.45,54.4 65.95,54.4 65.95,39.89
